# Altium PCB with dev module.PcbDoc
Units mil, origin at the board's own origin, x right, y up, seen from the top; angles counter-clockwise.
Board outline 4655 x 4270 mil, 2 copper layers (Top Layer, Bottom Layer); 87 components, 91 nets, 321 pads, 2 vias.
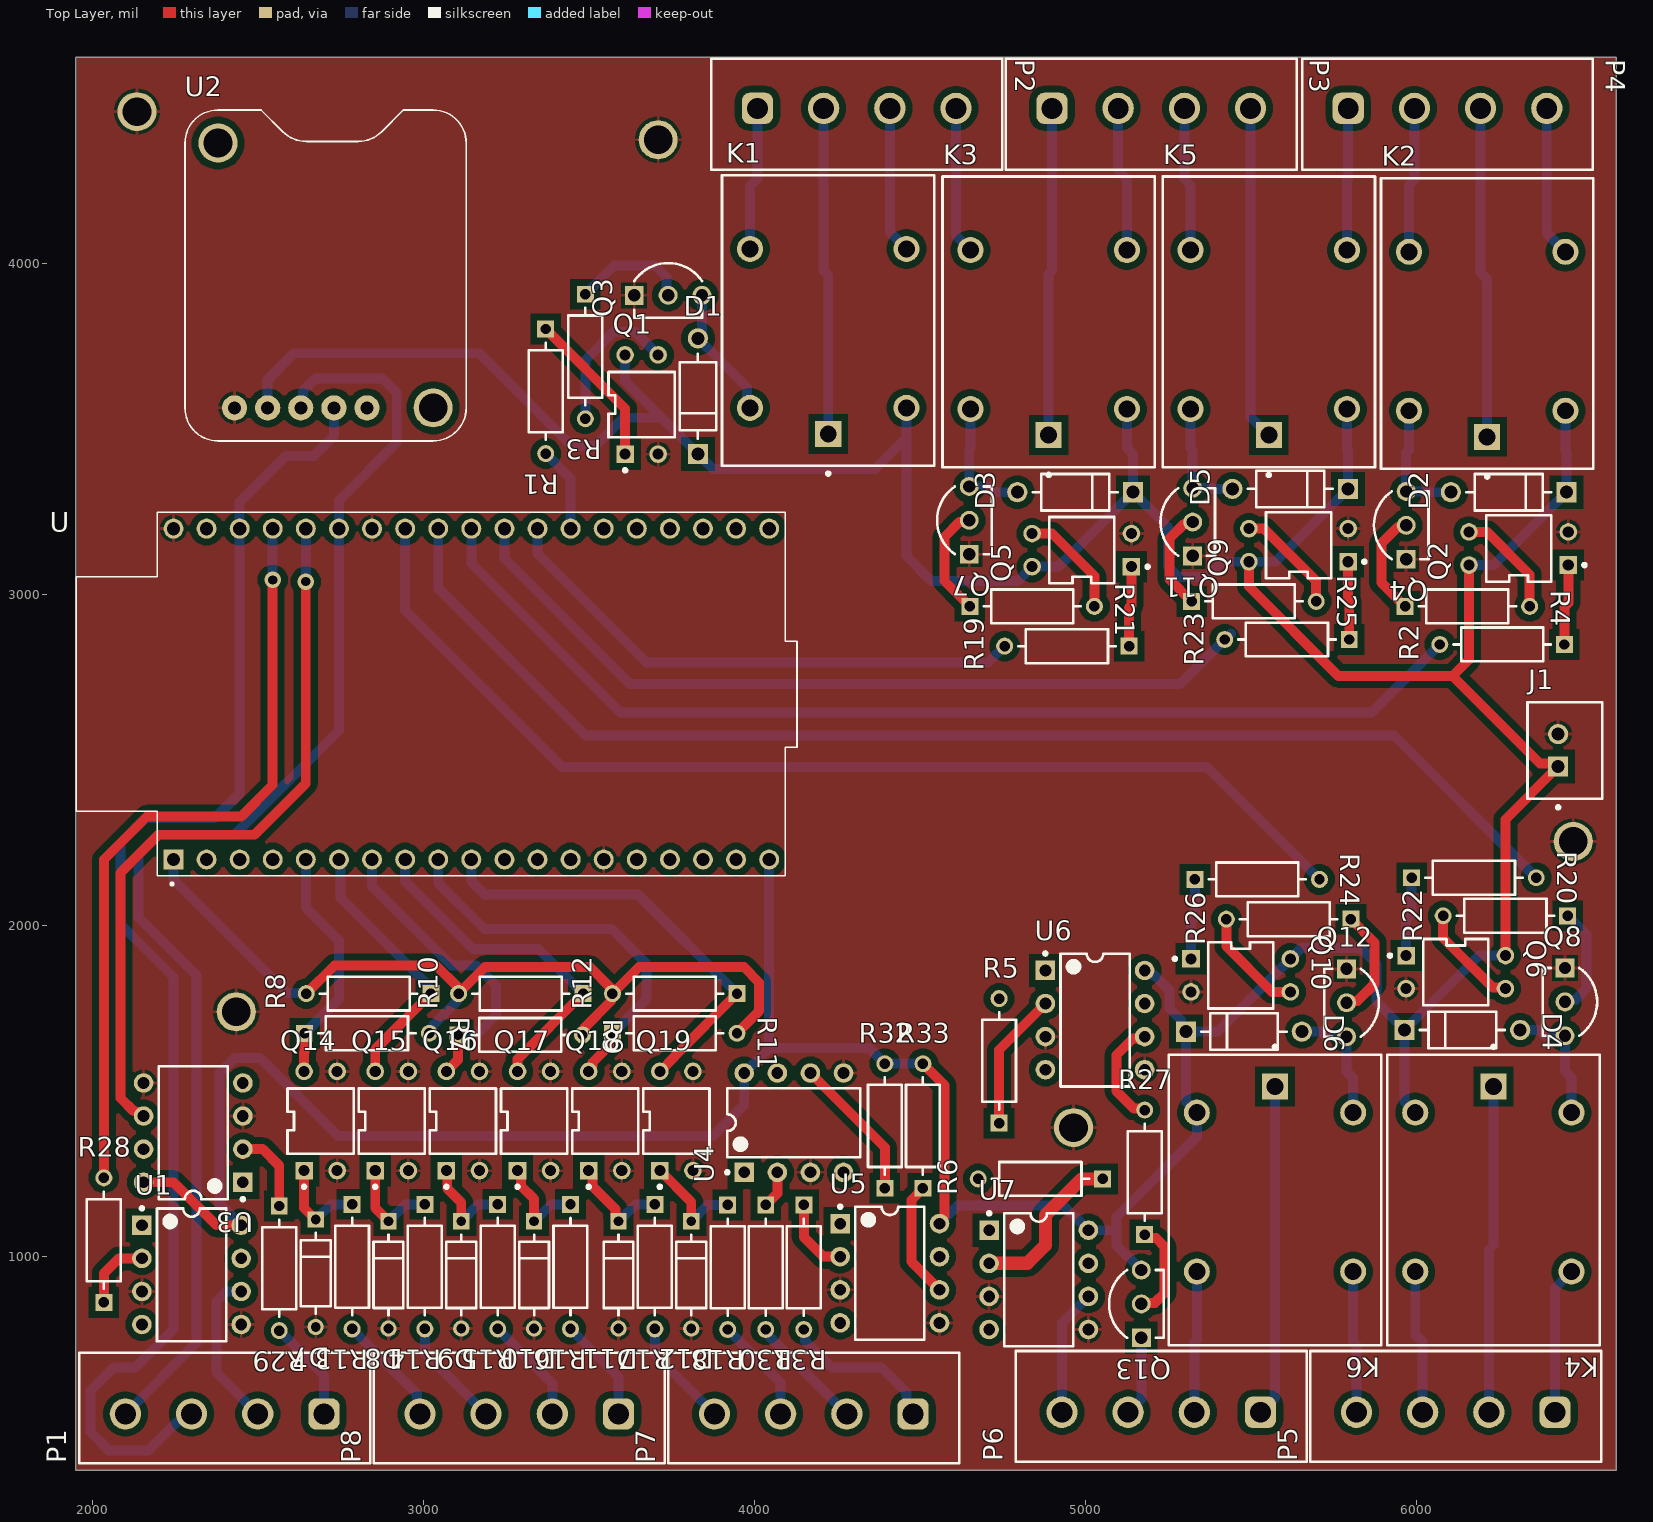
[diagram p0: Top Layer view]
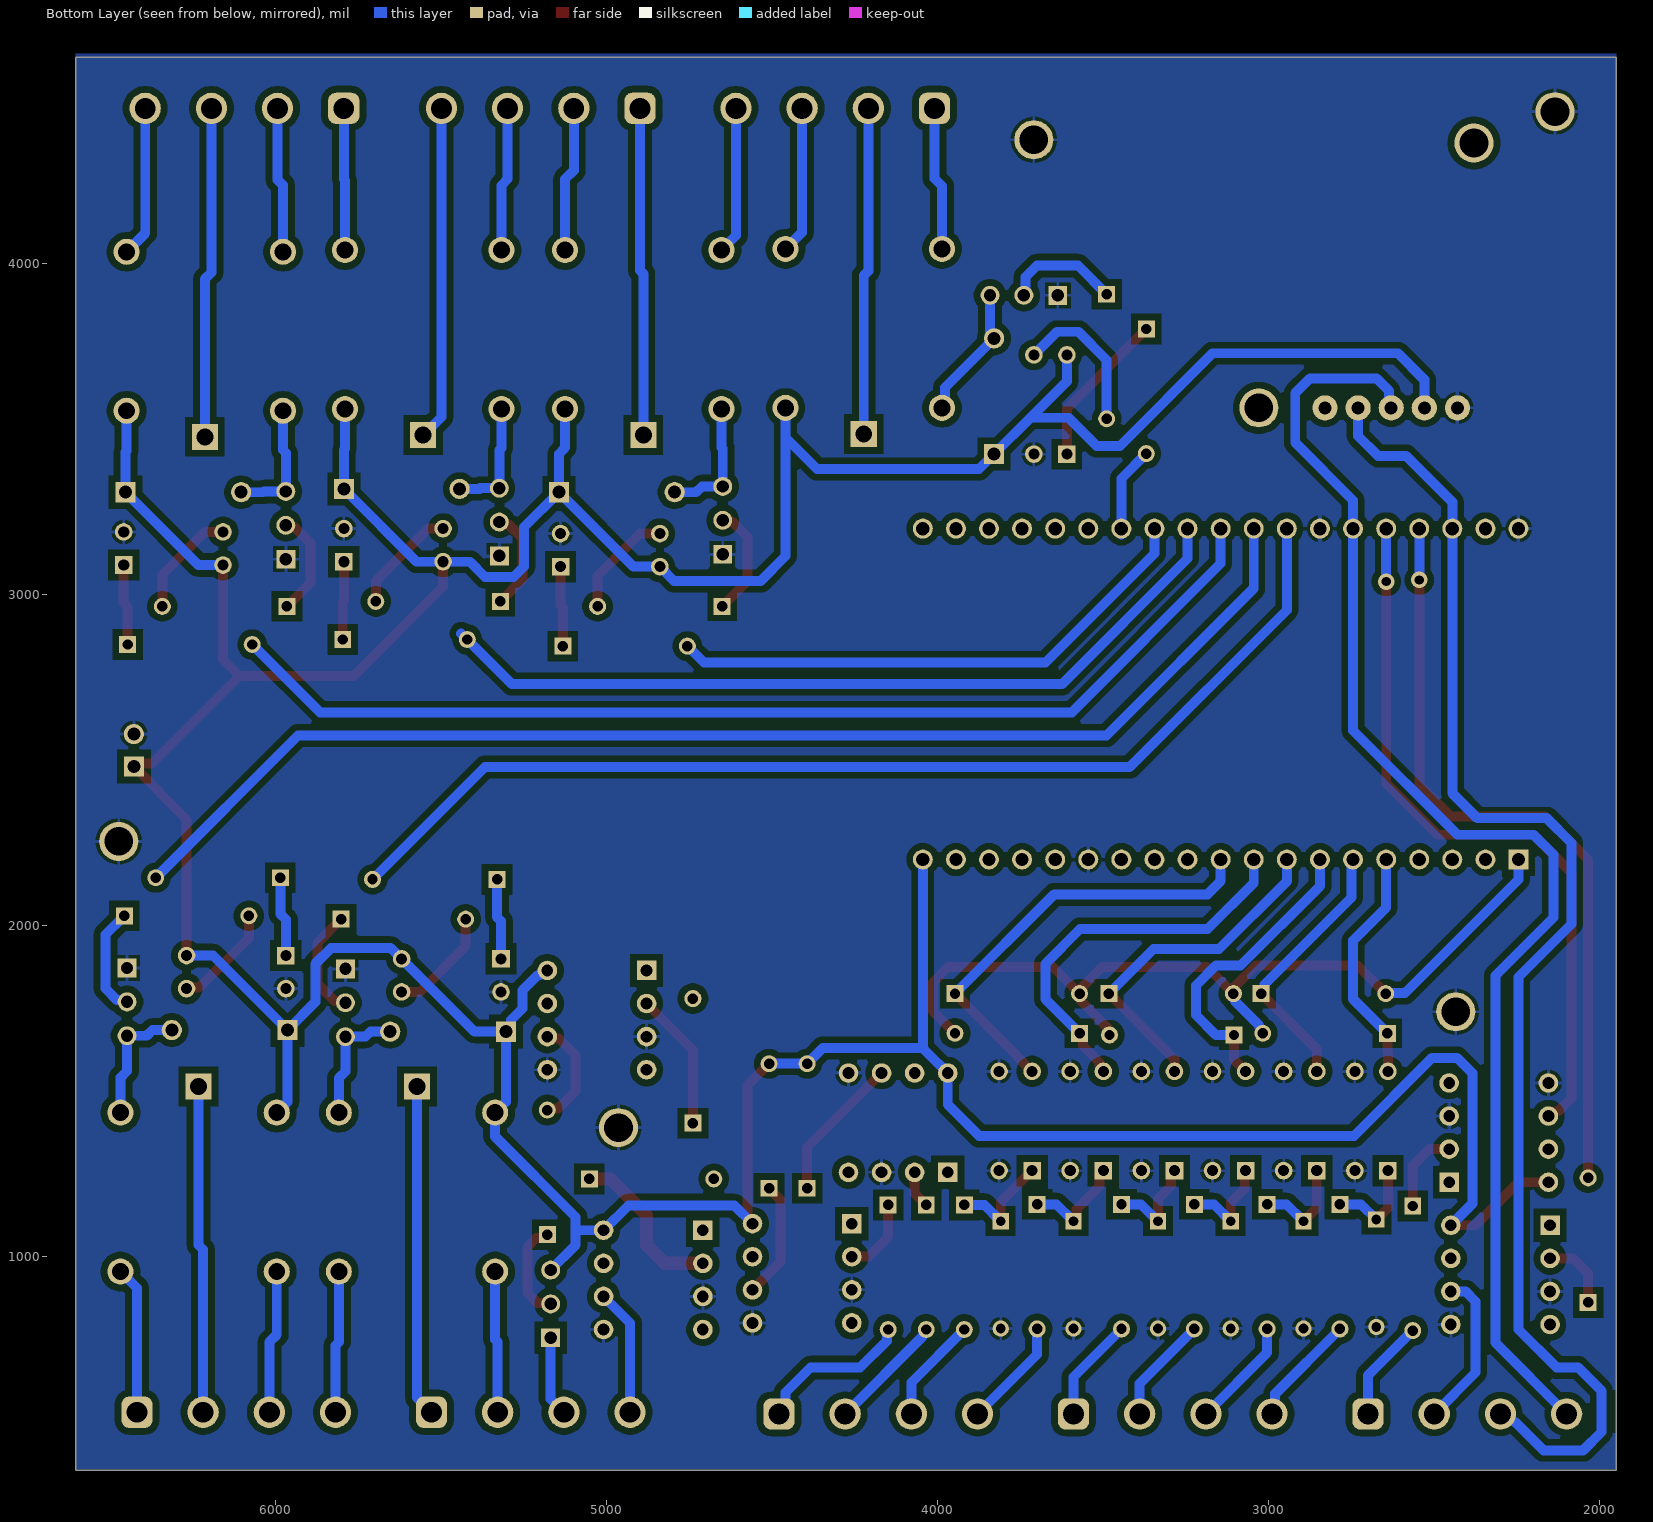
[diagram p1: Bottom Layer view, seen from below]
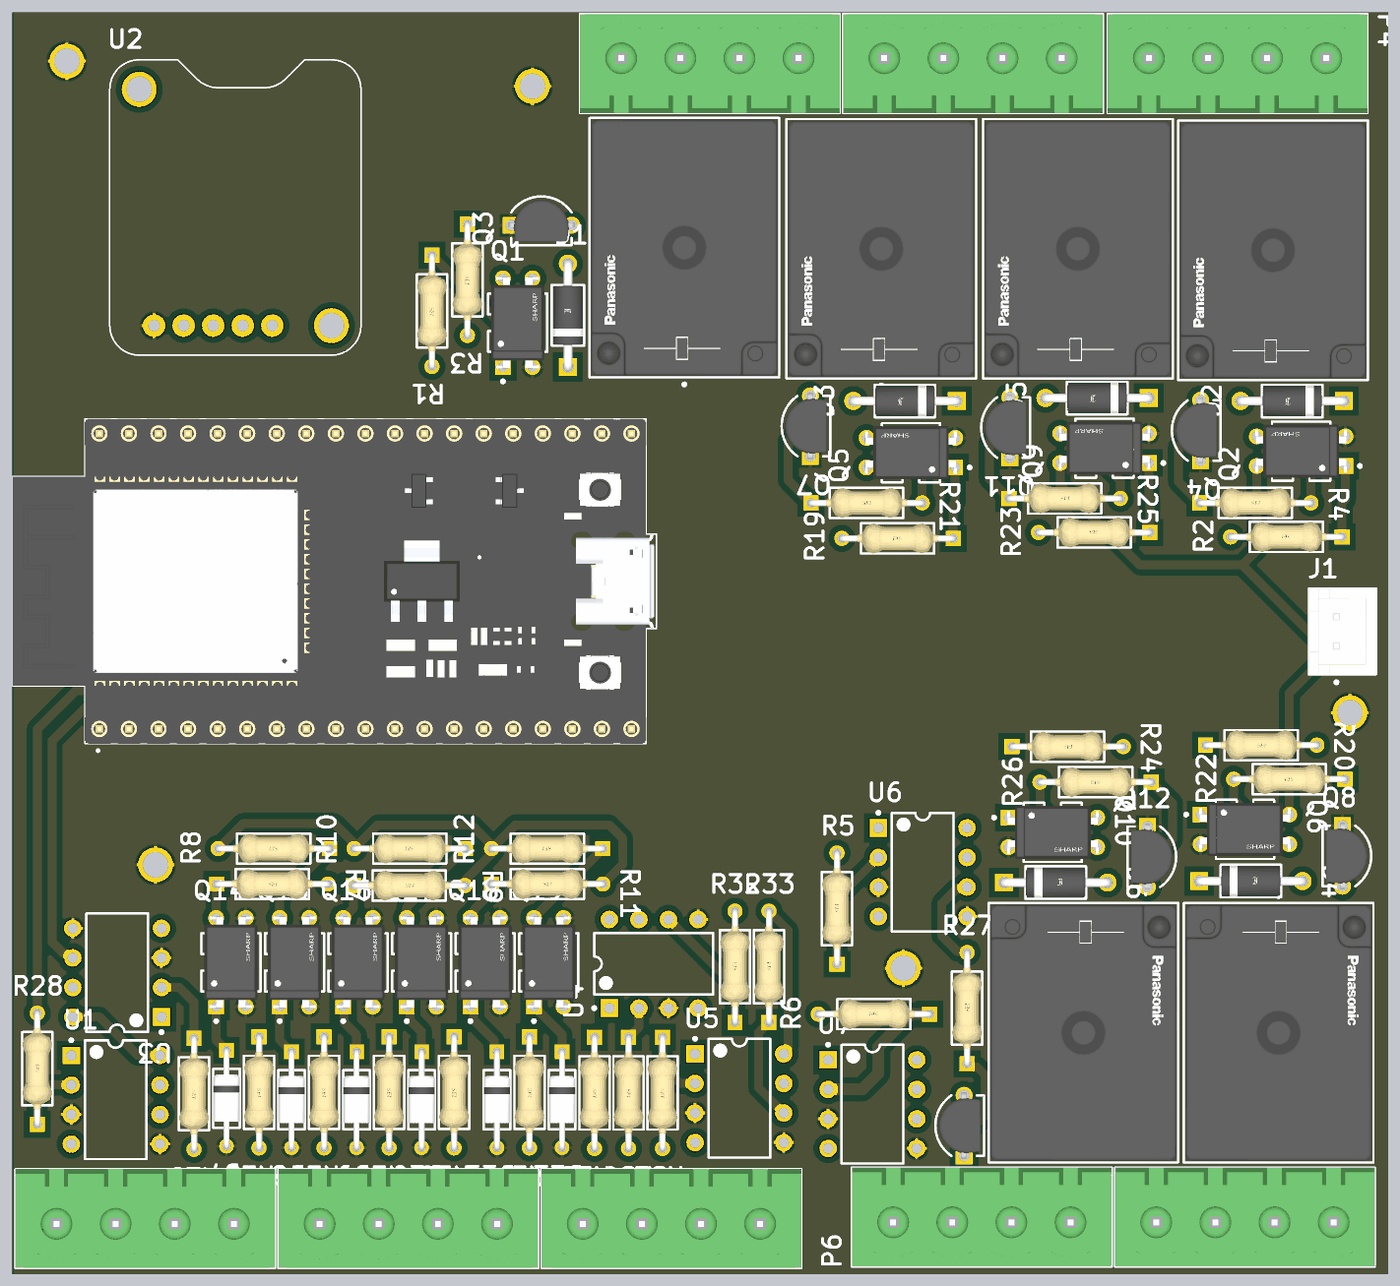
[diagram p2: 3D render of the assembled board from above, using the file's embedded part models]

## Layer stack, top to bottom
Top Solder: solder mask 0.4, Solder Resist, Dk 3.5
Top Layer: signal copper 1.4
Dielectric 1: dielectric 12.6, FR-4, Dk 4.8
Bottom Layer: signal copper 1.4
Bottom Solder: solder mask 0.4, Solder Resist, Dk 3.5

## Board outline
1950,355 1950,4625 6605,4625 6605,355

## Design rules (kind name [scope] priority, off if disabled: settings)
Clearance [All] p1: gap=20 ignorepadtopadclearanceinfootprint=FALSE
PolygonConnect [All] p1: connectstyle=Relief reliefconductorwidth=10 reliefentries=4 polygonreliefangle="90 Angle" airgapwidth=10
RoutingVias [All] p1: holewidth=28 width=50 viastyle="Through Hole" minholewidth=28 minwidth=50 maxholewidth=28 maxwidth=50
SolderMaskExpansion [All] p1: expansion=4 istentingtop=FALSE
SupplyNets "Schematic Supply Nets_3" [InNet('+3.3')] p1: voltage=0.000
SupplyNets "Schematic Supply Nets_1" [InNet('GND')] p2: voltage=0.000
SupplyNets "Schematic Supply Nets" [InNet('+5')] p3: voltage=0.000
Width [All] p1: maxlimit=40 minlimit=10 preferedwidth=30
30 further rules are at their usual default settings.

## Classes and differential pairs
component class outputs: D1 D2 D3 D4 D5 D6 K1 K2 K3 K4 K5 K6 P2 P3 P4 P5 P6 Q1 Q2 Q3 Q4 Q5 Q6 Q7 Q8 Q9 Q10 Q11 Q12 Q13 R1 R2 R3 R4 R5 R6 R19 R20 R21 R22 R23 R24 R25 R26 R27 R28 U1 U6 U7
component class inputs: D7 D8 D9 D10 D11 D12 P7 P8 Q14 Q15 Q16 Q17 Q18 Q19 R7 R8 R9 R10 R11 R12 R13 R14 R15 R16 R17 R18 R29 R30 R31 R32 R33 U3 U4 U5
component class "dev module": J1 P1 U U2

## Components (designator, comment, footprint, x,y, rotation, side; value= is the part's Value field where it differs from the comment)
D1 "1N4007" FP-1N4007-MFG 3830,3600 r90 top value=15pF
D2 "1N4007" FP-1N4007-MFG 6280,3310 r180 top value=15pF
D3 "1N4007" FP-1N4007-MFG 4970,3310 r180 top value=15pF
D4 "1N4007" FP-1N4007-MFG 6140,1685 r0 top value=15pF
D5 "1N4007" FP-1N4007-MFG 5620,3320 r180 top value=15pF
D6 "1N4007" FP-1N4007-MFG 5480,1680 r0 top value=15pF
D7 "JANTX1N4626-1" FP-DO-35-MFG 2675,950 r270 top
D8 "JANTX1N4626-1" FP-DO-35-MFG 2895,945 r270 top
D9 "JANTX1N4626-1" FP-DO-35-MFG 3115,945 r270 top
D10 "JANTX1N4626-1" FP-DO-35-MFG 3335,945 r270 top
D11 "JANTX1N4626-1" FP-DO-35-MFG 3590,945 r270 top
D12 "JANTX1N4626-1" FP-DO-35-MFG 3810,945 r270 top
J1 "B2B-XH-A(LF)(SN)" FP-B2B-XH-A_LF_SN-MFG 6450,2530 r90 top
K1 "JS1-B-5V-F" FP-JS1-B-5V-F-MFG 4223.78,3828.78 r90 top
K2 "JS1-B-5V-F" FP-JS1-B-5V-F-MFG 6215,3820 r90 top
K3 "JS1-B-5V-F" FP-JS1-B-5V-F-MFG 4890,3825 r90 top
K4 "JS1-B-5V-F" FP-JS1-B-5V-F-MFG 6233.78,1171.54 r270 top
K5 "JS1-B-5V-F" FP-JS1-B-5V-F-MFG 5555,3825 r90 top
K6 "JS1-B-5V-F" FP-JS1-B-5V-F-MFG 5573.78,1171.54 r270 top
P1 "691311500104" 691311500104 2400,542.72 r180 top
P2 "691311500104" 691311500104 4310,4452.28 r0 top
P3 "691311500104" 691311500104 5200,4452.28 r0 top
P4 "691311500104" 691311500104 6095,4452.28 r0 top
P5 "691311500104" 691311500104 6120,547.72 r180 top
P6 "691311500104" 691311500104 5230,547.72 r180 top
P7 "691311500104" 691311500104 4180,542.72 r180 top
P8 "691311500104" 691311500104 3290,542.72 r180 top
Q1 "PC817X1J000F" FP-PC817X1J000F-MFG 3660,3575 r90 top
Q2 "PC817X1J000F" FP-PC817X1J000F-MFG 6310,3140 r180 top
Q3 "KSC945YTA" FP-135AR-MFG 3740,3919.96 r90 top
Q4 "KSC945YTA" FP-135AR-MFG 5955.04,3210 r180 top
Q5 "PC817X1J000F" FP-PC817X1J000F-MFG 4990,3135 r180 top
Q6 "PC817X1J000F" FP-PC817X1J000F-MFG 6120,1860 r0 top
Q7 "KSC945YTA" FP-135AR-MFG 4635.04,3225 r180 top
Q8 "KSC945YTA" FP-135AR-MFG 6465,1770 r0 top
Q9 "PC817X1J000F" FP-PC817X1J000F-MFG 5645,3150 r180 top
Q10 "PC817X1J000F" FP-PC817X1J000F-MFG 5470,1850 r0 top
Q11 "KSC945YTA" FP-135AR-MFG 5310.04,3220 r180 top
Q12 "KSC945YTA" FP-135AR-MFG 5804.96,1767.36 r0 top
Q13 "KSC945YTA" FP-135AR-MFG 5155.04,857.36 r180 top
Q14 "PC817X1J000F" FP-PC817X1J000F-MFG 2690,1410 r90 top
Q15 "PC817X1J000F" FP-PC817X1J000F-MFG 2905,1410 r90 top
Q16 "PC817X1J000F" FP-PC817X1J000F-MFG 3120,1410 r90 top
Q17 "PC817X1J000F" FP-PC817X1J000F-MFG 3335,1410 r90 top
Q18 "PC817X1J000F" FP-PC817X1J000F-MFG 3550,1410 r90 top
Q19 "PC817X1J000F" FP-PC817X1J000F-MFG 3765,1410 r90 top
R1 "PCF14JT7K50" FP-CF14-MFG 3370,3615 r270 top
R2 "PCF14JT7K50" FP-CF14-MFG 6260,2850 r180 top
R3 "PCF14JT7K50" FP-CF14-MFG 3490,3720 r270 top
R4 "PCF14JT7K50" FP-CF14-MFG 6155,2965 r0 top
R5 "PCF14JT7K50" FP-CF14-MFG 4740,1591.81 r90 top
R6 "PCF14JT7K50" FP-CF14-MFG 4865,1235 r180 top
R7 "PCF14JT7K50" FP-CF14-MFG 2830,1675 r0 top
R8 "PCF14JT7K50" FP-CF14-MFG 2835,1795 r180 top
R9 "PCF14JT7K50" FP-CF14-MFG 3293.19,1670 r0 top
R10 "PCF14JT7K50" FP-CF14-MFG 3295,1795 r180 top
R11 "PCF14JT7K50" FP-CF14-MFG 3760,1675 r0 top
R12 "PCF14JT7K50" FP-CF14-MFG 3760,1795 r180 top
R13 "PCF14JT7K50" FP-CF14-MFG 2785,970 r270 top
R14 "PCF14JT7K50" FP-CF14-MFG 3005,970 r270 top
R15 "PCF14JT7K50" FP-CF14-MFG 3225,970 r270 top
R16 "PCF14JT7K50" FP-CF14-MFG 3445,970 r270 top
R17 "PCF14JT7K50" FP-CF14-MFG 3700,970 r270 top
R18 "PCF14JT7K50" FP-CF14-MFG 3920,968.19 r270 top
R19 "PCF14JT7K50" FP-CF14-MFG 4945,2845 r180 top
R20 "PCF14JT7K50" FP-CF14-MFG 6175,2145 r0 top
R21 "PCF14JT7K50" FP-CF14-MFG 4840,2965 r0 top
R22 "PCF14JT7K50" FP-CF14-MFG 6270,2030 r180 top
R23 "PCF14JT7K50" FP-CF14-MFG 5610,2865 r180 top
R24 "PCF14JT7K50" FP-CF14-MFG 5520,2140 r0 top
R25 "PCF14JT7K50" FP-CF14-MFG 5510,2980 r0 top
R26 "PCF14JT7K50" FP-CF14-MFG 5615,2020 r180 top
R27 "PCF14JT7K50" FP-CF14-MFG 5180,1255 r90 top
R28 "PCF14JT7K50" FP-CF14-MFG 2035,1050 r90 top
R29 "PCF14JT7K50" FP-CF14-MFG 2565,965 r270 top
R30 "PCF14JT7K50" FP-CF14-MFG 4035,968.19 r270 top
R31 "PCF14JT7K50" FP-CF14-MFG 4150,968.19 r270 top
R32 "PCF14JT7K50" FP-CF14-MFG 4395,1395 r90 top
R33 "PCF14JT7K50" FP-CF14-MFG 4510,1395 r90 top
U "ESP32-DEVKITC" MODULE_ESP32-DEVKITC 3145,2700 r90 top
U1 "6N137" VISH-DIP-8_A 2300,945 r0 top
U2 "3296" MODULE_3296 2705,3965 r0 top
U3 "6N137" VISH-DIP-8_A 2305,1375 r180 top
U4 "6N137" VISH-DIP-8_A 4120,1405 r90 top
U5 "6N137" VISH-DIP-8_A 4410,950 r0 top
U6 "6N137" VISH-DIP-8_A 5030,1715 r0 top
U7 "6N137" VISH-DIP-8_A 4860,930 r0 top

## Footprints (in the part's own frame and the unit in brackets; to place one, negate y for a bottom-side part, rotate by r counter-clockwise, add the part's x,y. Pads: shape width x height; smd on the part's side, far side on the other; paste and mask are expansions set on the pad)
691311500104 [mm] "5,08mm - PCB Headers - Vertical - Closed ends -04p"
  rrect50% 2.4x2.4 hole 1.6: 1(-7.62,0.45)
  round 2.4 hole 1.6: 2(-2.54,0.45) 3(2.54,0.45) 4(7.62,0.45)
  silkscreen extent -11.16,-4.25 11.16,4.25, body extent -11.16,-4.25 11.16,4.25, height 12.05
FP-1N4007-MFG [mm]
  rect 1.55x1.55 hole 1 paste-2539.97 mask+0: 1(-4.44,0)
  round 1.55 hole 1 paste-2539.97 mask+0: 2(4.44,0)
  silkscreen extent -3.27,-1.4 3.27,1.4, body extent -5.32,-1.5 5.32,1.5, height 0.25
FP-135AR-MFG [mm]
  rect 1.45x1.45 hole 0.95 paste-2539.97 mask+0: 1(-0.38,2.6)
  round 1.45 hole 0.95 paste-2539.97 mask+0: 2(-0.38,0) 3(-0.38,-2.6)
  silkscreen extent -2.1,-2.6 2.09,2.6, body extent -2.19,-3.42 2.19,3.42, height 0.25
FP-B2B-XH-A_LF_SN-MFG [mm]
  rect 1.55x1.55 hole 1 paste-2539.97 mask+0: 1(-1.25,0.525)
  round 1.55 hole 1 paste-2539.97 mask+0: 2(1.25,0.525)
  silkscreen extent -4.5,-2.88 3.7,2.87, body extent -3.8,-2.98 3.8,2.98, height 0.25
FP-CF14-MFG [mm]
  rect 1.3x1.3 hole 0.8 paste-2539.97 mask+0: 1(-4.78,0)
  round 1.3 hole 0.8 paste-2539.97 mask+0: 2(4.78,0)
  silkscreen extent -3.73,-1.3 3.73,1.3, body extent -5.53,-1.4 5.53,1.4, height 0.25
FP-DO-35-MFG [mm]
  rect 1.25x1.25 hole 0.75 paste-2539.97 mask+0: 1(-4.12,0)
  round 1.25 hole 0.75 paste-2539.97 mask+0: 2(4.12,0)
  silkscreen extent -3.09,-1.14 3.09,1.14, body extent -4.84,-1.24 4.84,1.24, height 0.25
FP-JS1-B-5V-F-MFG [mm]
  rect 2x2 hole 1.3 paste-2539.97 mask+0: 1(-8.7,0)
  round 2 hole 1.3 paste-2539.97 mask+0: 2(-6.7,-6) 3(5.5,-6) 4(5.5,6) 5(-6.7,6)
  silkscreen extent -11.87,-8.15 11.15,8.15, body extent -11.25,-8.25 11.25,8.25, height 0.25
FP-PC817X1J000F-MFG [mm]
  rect 1.35x1.35 hole 0.85 paste-2539.97 mask+0: 1(-3.81,1.27)
  round 1.35 hole 0.85 paste-2539.97 mask+0: 2(-3.81,-1.27) 3(3.81,-1.27) 4(3.81,1.27)
  silkscreen extent -5.17,-2.54 2.5,2.54, body extent -4.58,-2.64 4.58,2.64, height 0.25
MODULE_3296 [mm]
  round 1.93 hole 1: 1(3.175,-10.16) 2(0.635,-10.16) 3(-1.905,-10.16) 4(-4.445,-10.16) 5(-6.985,-10.16)
  round 3 hole 2.2: SH1(8.255,-10.16) SH2(-8.255,10.16)
  silkscreen extent -10.79,-12.7 10.79,12.7
MODULE_ESP32-DEVKITC [mm]
  rect 1.53x1.53 hole 1.02: 1(-12.7,22.85)
  round 1.53 hole 1.02: 2(-12.7,20.31) 3(-12.7,17.77) 4(-12.7,15.23) 5(-12.7,12.69) 6(-12.7,10.15) 7(-12.7,7.61) 8(-12.7,5.07) 9(-12.7,2.53) 10(-12.7,-0.01) 11(-12.7,-2.55) 12(-12.7,-5.09) 13(-12.7,-7.63) 14(-12.7,-10.17) 15(-12.7,-12.71) 16(-12.7,-15.25) 17(-12.7,-17.79) 18(-12.7,-20.33) 19(-12.7,-22.87) 20(12.7,-22.87) 21(12.7,-20.33) 22(12.7,-17.79) 23(12.7,-15.25) 24(12.7,-12.71) 25(12.7,-10.17) 26(12.7,-7.63) 27(12.7,-5.09) 28(12.7,-2.55) 29(12.7,-0.01) 30(12.7,2.53) 31(12.7,5.07) 32(12.7,7.61) 33(12.7,10.15) 34(12.7,12.69) 35(12.7,15.23) 36(12.7,17.77) 37(12.7,20.31) 38(12.7,22.85)
  silkscreen extent -14.67,-25 13.95,30.3, body extent -13.97,-24.8 13.97,30.3, height 6.69
VISH-DIP-8_A [mm] "DIP, 8-Leads, Body 10.16x6.85mm, Pitch 2.54mm"
  rect 1.5x1.5 hole 0.9: 1(-3.81,3.81)
  round 1.5 hole 0.9: 2(-3.81,1.27) 3(-3.81,-1.27) 4(-3.81,-3.81) 5(3.81,-3.81) 6(3.81,-1.27) 7(3.81,1.27) 8(3.81,3.81)
  silkscreen extent -3.93,-5.1 2.65,5.23, body extent -3.95,-5.07 3.95,5.07, height 4.54

## Part data
D1 D2 D3 D4 D5 D6: library part CMP-123542-000001-1, "Rectifier diode 1000 V 1 A DO-41, ,", Capacitance=15pF, Forward Current=1A, Manufacturer=Diotec, Max Junction Temp=+175°C, Max Repetitive Reverse Voltage=1000V, Max Surge Forward Current=27A, Peak Reverse Current=5uA, Temperature="-50°C to +175°C", Temperature Range Low=-50°C, Automotive=No, Category=Diode, ComponentLink2Description=Datasheet, ComponentLink2URL=https://datasheet.octopart.com/1N4007-Diotec-datasheet-62346875.pdf, Device Class L1="Discrete Semiconductors", Device Class L2=Diodes, Device Class L3="Rectifier Diodes", Height=2.8mm, Ipc Land Pattern Name=DIOAD888W100L520D280, Lead Free=Yes, Manufacturer Part Number=1N4007, Octopart=https://octopart.com/1n4007-diotec-4040411, Package=1N4007, Reverse Voltage=1000V, RoHS=TRUE, Temperature Range High=+175°C
D7 D8 D9 D10 D11 D12: library part CMP-00252-10349970-1, "JANTX1N4626-1 Metallurgically Bonded Glass Zener Diode 5.6V 500mW 5% 2-Pin DO-204AH", Max Operating Temperature=175°C, Max Power Dissipation=500mW, Max Reverse Leakage Current=10µA, Min Operating Temperature=-65°C, Power Dissipation=480mW, Test Current=250µA, Tolerance=5%, Zener Voltage=5.6V, Element Configuration=Single, Impedance=1.4kΩ, Lead Free="Contains Lead", Lifecycle Status=Production, Mount="Through Hole", NexarPartId=10349970, Number of Pins=2, Radiation Hardening=No, RoHS=Compliant, Schedule B="8541100050, 8541100050", Voltage Tolerance=5%
J1: library part CMP-2000-05888-3, "CONN HEADER VERT 2POS 2.5MM", Color=Natural, Contact Resistance=20mR, Current Rating=3A, Housing Color=White, Insulation Resistance=1GR, Max Operating Temperature=85°C, Max Voltage Rating (AC)=250V, Min Operating Temperature=-25°C, Connector Type="Male Pin", Contact Material=Brass, Contact Plating=Tin, Contact Type="Male Pin", Depth=5.75mm, Fastening Type=Detent, Housing Material=Polyamide, Lead Free="Lead Free", Lead Pitch=2.5mm, Length=7.4mm, Max Current Rating=3A, Max Voltage Rating (DC)=250V, Mount="Through Hole", Number of Contacts=2, Number of Positions=2, Number of Rows=1, Orientation=Straight, Packaging=Bulk, Pitch=2.5mm, REACH SVHC="No SVHC", Series=XH, Termination=Solder, Voltage Rating=250V, Voltage Rating (AC)=250V, Wire/Cable Gauge=22AWG
K1 K2 K3 K4 K5 K6: library part CMP-00287-00689748-1, "JS1-B-5V-F Electromechanical Relay 5VDC 69.4Ohm 5ADC/10AAC SPDT (22x16x16.4)mm THT Power Relay", Ambient Temperature Range High=85°C, Coil Current=72mA, Coil Power=360mW, Coil Resistance=69.4Ω, Coil Voltage (DC)=5V, Contact Current Rating=10A, Max Voltage Rating (AC)=250V, Max Voltage Rating (DC)=100V, Min Operating Temperature=-40°C, Coil Type=Non-Latching, Contact Material="Silver, Tin", Current Rating=10A, Depth=16mm, Height=16mm, Lead Free="Lead Free", Length=22mm, Max Current Rating=10A, Max Operating Temperature=85°C, Mount="Through Hole", NexarPartId=689748, Number of Contacts=1, Number of Pins=5, Operate Time=10ms, Packaging=Bulk, Power Consumption=360mW, Power Rating=360mW, REACH SVHC="No SVHC", Relay Type="General Purpose", Release Time=10ms, RoHS=Compliant, Switching Current=10A, Termination="PC Pin", Throw Configuration=SPDT, Voltage Rating (AC)=250V, Weight=12g, Width=22mm
P1 P2 P3 P4 P5 P6 P7 P8: library part CMP-1502-02148-2, Color=Green, Current=20A, Voltage=300V, Contact Material=Brass, Contact Plating=Tin, Gender=Male, Height=12mm, Lead Pitch=5.08mm, Length=8.5mm, Mount="Through Hole", NexarPartId=8917749, Number of Contacts=4, Number of Levels=1, Number of Pins=4, Number of Positions Per Level=4, Number of Rows=1, Orientation=Vertical, Packaging=Box, Pitch=5.08mm, REACH SVHC=Unknown, RoHS=Compliant, Termination=Solder, Width=22.32mm
Q1 Q2 Q5 Q6 Q9 Q10 Q14 Q15 Q16 Q17 Q18 Q19: library part CMP-65434-000003-1, "OPTOISOLATOR 5KV TRANS 4DIP", Case/Package=DIP, Collector Emitter Breakdown Voltage=80V, Collector Emitter Saturation Voltage=200mV, Current Transfer Ratio=600%, Forward Current=50mA, Forward Voltage=1.4V, Input Current=20mA, Isolation Voltage=5kV, Max Operating Temperature=100°C, Max Power Dissipation=200mW, Min Operating Temperature=-30°C, Package Quantity=2000, Reverse Breakdown Voltage=6V, Collector Emitter Voltage (VCEO)=80V, Fall Time=18000ns, Max Collector Current=50mA, Max Input Current=50mA, Mount="Through Hole", Number of Channels=1, Number of Elements=1, Number of Pins=4, Output Current per Channel=50mA, Output Voltage=80V, Packaging=Sleeve, Power Dissipation=200mW, Radiation Hardening=No, Rise Time=18000ns
Q3 Q4 Q7 Q8 Q11 Q12 Q13: library part CMP-00278-84329536-1, "KSC945YTA Bipolar (BJT) Single Transistor, NPN, 50 V, 300 MHz, 250 mW, 150 mA, 120", Case/Package=TO-92-3, Collector Base Voltage (VCBO)=60V, Collector Emitter Breakdown Voltage=50V, Collector Emitter Saturation Voltage=150mV, Current Rating=150mA, Emitter Base Voltage (VEBO)=5V, Frequency=300MHz, Manufacturer Lifecycle Status=ACTIVE, Max Frequency=1MHz, Max Junction Temperature (Tj)=150°C, Max Power Dissipation=250mW, Min Operating Temperature=-55°C, Collector Emitter Voltage (VCEO)=50V, Element Configuration=Single, Gain Bandwidth Product=300MHz, Height=4.58mm, hFE Min=40, Lead Free="Lead Free", Length=4.58mm, Lifecycle Status=Production, Max Breakdown Voltage=50V, Max Collector Current=150mA, Max Operating Temperature=150°C, Mount="Through Hole", NexarPartId=84329536, Number of Elements=1, Number of Pins=3, Polarity=NPN, Power Dissipation=250mW, Radiation Hardening=No, REACH SVHC="No SVHC", RoHS=Compliant, Schedule B="8541210080, 8541210080", Transition Frequency=300MHz, Voltage Rating (DC)=50V, Weight=240mg, Width=3.86mm
R1 R2 R3 R4 R5 R6 R7 R8 R9 R10 R11 R12 R13 R14 R15 R16 R17 R18 R19 R20 R21 R22 R23 R24 R25 R26 R27 R28 R29 R30 R31 R32 R33: library part CMP-26528-000003-1, "RES 7.5K OHM 1/4W 5% AXIAL", Case/Package=Axial, Max Operating Temperature=155°C, Max Power Dissipation=250mW, Min Operating Temperature=-55°C, Resistance=7.5kR, Resistor Type="Carbon Film", Temperature Coefficient=-400ppm/°C, Tolerance=5%, Contact Plating=Tin, Diameter=2.3mm, Features="Flame Retardant Coating", Lead Free="Lead Free", Length=0.256inch, Mount="Through Hole", Number of Terminations=2, Packaging="Tape and Reel", Power Rating=250mW, Radiation Hardening=No, RoHS Compliant=Yes, Series=CF
U: "- Transceiver; 802.11 b/g/n _Wi-Fi, WiFi, WLAN_, BluetoothÂ® Smart Ready 4.x Dual Mode For Use With ESP-WROOM-32", Package=None, Availability=Unavailable, MF="Espressif Systems", MP=ESP32-DEVKITC-32D-F, Price=None, SnapEDA_Link=https://www.snapeda.com/parts/ESP32-DEVKITC-32D-F/Espressif%20Systems/view-part/4220172/?ref=snap
U1 U3 U4 U5 U6 U7: library part CMP-2000-05669-1, "High Speed Optocoupler, Single and Dual, 10 MBd, 5 V, -40 to 100 degC, 8-Pin DIP, RoHS, Tube", Isolation Voltage=5.3kV, Manufacturer=Vishay, Optocoupler Case Style=DIP, Package Description="8-Pin Double In-line Package, Body 10.16 x 6.7 mm, Pitch 2.54 mm", Package Reference=DIP-8, Data Rate=10Mbaud, Datasheet URL=http://www.vishay.com/docs/84732/6n137.pdf, Datasheet Version="Rev. 1.9, 03/2015", Manufacturer URL=http://www.vishay.com/, Mounting Technology=ThroughHole, No. of Channels=1Channel, No. of Pins=8Pins, Packaging=Each, Product Range=-, SVHC=ToBeAdvised
U2: "DS1307 Real Time Clock (RTC) Timing Evaluation Board", Package=None, Availability="In Stock", Check_prices=https://www.snapeda.com/parts/3296/Adafruit+Industries/view-part/?ref=eda, MF=Adafruit, MP=3296, Price=None, Purchase-URL=https://pricing.snapeda.com/search/part/3296/?ref=eda, SnapEDA_Link=https://www.snapeda.com/parts/3296/Adafruit+Industries/view-part/?ref=snap

## Free pads (board coordinates)
  round 118.11 hole 86.61: 25(2135,4460) 25(2435,1740) 25(3710,4375) 25(4965,1390) 25(6475,2255)

## Via types
v1: diameter 50, hole 28, Top Layer to Bottom Layer, 2 vias

## Nets (pads, with @x,y where several pads share a name; then routed paths per layer and width w, separated by ;. In a path a pad name is that pad's centre, name@x,y a point inside that pad or via, vN(x,y) a via of type N, cw(c..) or ccw(c..) an arc to the next point about the centre after c; other vN are vias at no path point)
+3.3: R7.2 R8.2 R9.2 R10.2 R11.2 R12.2 U.1 | length 2662.4
  Top Layer w30: R8.2 2731.81,1880 3038.87,1880 R10.2@3102.76,1816.11 ; R10.2 3186.81,1875 3503.87,1875 3567.76,1811.11 3567.76,1799.05 R12.2 ; R9.2 3485.43,1674.05 3485.43,1690.43 3567.76,1772.76 3567.76,1790.95 R12.2 ; R11.2 4015,1741.81 4015,1828.87 3968.87,1875 3651.81,1875 3577.84,1801.03 R12.2
  Bottom Layer w30: U.1 2245.39,2139.61 2588.29,1796.71 2645.1,1796.71 R8.2 ; R7.2@3022.24,1670.95 R7.2 3018.19,1680.73 3028.78,1691.32 3028.78,1698.78 3102.76,1772.76 3102.76,1790.95 R10.2
+5: D1.1 D2.1 D3.1 D4.1 D5.1 D6.1 J1.1 K1.2 K2.2 K3.2 K4.2 K5.2 K6.2 Q1.4 Q2.4 Q5.4 Q6.4 Q9.4 Q10.4 Q13.3 R32.2 R33.2 U1.8 U2.4 U3.8 U4.8 U5.8 U6.8 U7.8 U.19 | length 15756.8
  Top Layer w30: U3.8 2245,1225 2375,1095 U1.8 ; R33.2 4575,1518.19 4575,1122.86 4560,1107.86 U5.8 ; Q9.4 5495,3025 5765,2755 6110,2755 ; Q2.4 6160,2805 6110,2755 ; Q6.4 6270,2321.46 J1.1 6419.56,2490.56 6374.44,2490.56 6110,2755
  Bottom Layer w30: U1.8 2385,1160 2385,1555 2431,1601 2507,1601 2743,1365 3875,1365 3970,1460 U4.8 4031,1616 4045.39,1630.39 ; U2.4 2530,3650 2610,3730 3170,3730 3450,3450 3520,3450 3605,3535 3720.2,3535 ; Q1.4 3610,3645.2 3720.2,3535 ; U.19 4045.39,1630.39 ; K1.2 4460,3475 ; R33.2 R32.2 4347.8,1630.39 4045.39,1630.39 ; U5.8 4615,1155 4935,1155 U7.8 5095,1080 ; K3.2 5126.22,3444.58 5144.8,3426 D3.1 ; Q13.3 5095,1034.72 5095,1080 ; U6.8 5187.86,1865 5202.39,1850.47 5209.53,1850.47 5255,1805 5255,1750 5289.68,1715.32 5289.68,1695.51 D6.1 ; K5.2 5791.22,3441.58 5794.8,3438 D5.1 5574.8,3100 5413.95,3100 5368.04,3054.09 5281.96,3054.09 5250,3086.05 5250,3204.8 D3.1 ; K4.2 5965.2,1467.68 D4.1 ; Q2.4 6234.8,3090 D2.1 6454.8,3431 6451.22,3434.58 K2.2 ; Q6.4 6190.2,1910 D4.1 ; 3720.2,3535 D1.1 3875.2,3380 4365,3380 4460,3475 ; 4460,3475 4460,3117 4535,3042 4797,3042 Q5.4 4919.8,3085 D3.1 ; 5095,1080 5095,1120.1 5337.56,1362.66 K6.2 5305.2,1467.68 D6.1 ; D6.1 5400,1680 5653.27,1933.27 5833.04,1933.27 5881,1885.31 5881,1769.2 D4.1
GND: D7.2 D8.2 D9.2 D10.2 D11.2 D12.2 J1.2 pad.25 Q1.2 Q2.2 Q3.1 Q4.1 Q5.2 Q6.2 Q7.1 Q8.1 Q9.2 Q10.2 Q11.1 Q12.1 Q14.2 Q14.3 Q15.2 Q15.3 Q16.2 Q16.3 Q17.2 Q17.3 Q18.2 Q18.3 Q19.2 Q19.3 U1.3 U1.5 U2.5 U3.3 U3.5 U4.3 U4.5 U5.3 U5.5 U6.3 U6.5 U7.3 U7.5 U.14 U.32 U.38
NetD1_2: D1.2 K1.5 Q3.3 | length 410.4
  Bottom Layer w30: Q3.3 3842.36,3795.56 3830,3783.2 D1.2 3978.23,3626.57 3978.23,3574.33 K1.5
NetD2_2: D2.2 K2.5 Q4.3 | length 383.7
  Bottom Layer w30: K2.5 5978.78,3437.78 5970,3429 Q4.3 6036,3312.36 6038.36,3310 D2.2
NetD3_2: D3.2 K3.5 Q7.3 | length 387.8
  Bottom Layer w30: K3.5 4653.78,3445.78 4650,3442 Q7.3 4713,3327.36 4730.36,3310 D3.2
NetD4_2: D4.2 K4.5 Q8.3 | length 383
  Bottom Layer w30: D4.2 6373,1685 6390.36,1667.64 Q8.3 6450.04,1560.96 6470,1541 K4.5
NetD5_2: D5.2 K5.5 Q11.3 | length 362.6
  Bottom Layer w30: K5.5 5318.78,3444.22 5325,3438 Q11.3 5383,3322.36 5385.36,3320 D5.2
NetD6_2: D6.2 K6.5 Q12.3 | length 379.4
  Bottom Layer w30: D6.2 5714,1680 5729,1665 Q12.3 5790,1560 5810,1540 K6.5
NetD7_1: D7.1 Q14.1 R13.1 | length 291.3
  Top Layer w30: Q14.1 2640,1147.2 D7.1
  Bottom Layer w30: D7.1 2720.99,1158.19 R13.1
NetD8_1: D8.1 Q15.1 R14.1 | length 300.5
  Top Layer w30: Q15.1 2855,1147.2 D8.1
  Bottom Layer w30: D8.1 2945.99,1158.19 R14.1
NetD9_1: D9.1 Q16.1 R15.1 | length 302.6
  Top Layer w30: Q16.1 3072.72,1257.28 3072.72,1206 3115,1163.72 D9.1
  Bottom Layer w30: D9.1 3165.99,1158.19 R15.1
NetD10_1: D10.1 Q17.1 R16.1 | length 304.6
  Top Layer w30: Q17.1 3295.89,1249.11 3295.89,1214.11 3335,1175 D10.1
  Bottom Layer w30: D10.1 3385.99,1158.19 R16.1
NetD11_1: D11.1 Q18.1 R17.1 | length 321.2
  Top Layer w30: Q18.1 3510.89,1249.11 3510.89,1214.11 3580.39,1144.61 3580.39,1116.81 D11.1
  Bottom Layer w30: D11.1 3640.99,1158.19 R17.1
NetD12_1: D12.1 Q19.1 R18.1 | length 322.5
  Top Layer w30: Q19.1 3810,1165 D12.1
  Bottom Layer w30: D12.1 3859.17,1156.38 R18.1
NetK1_1: K1.1 P2.2 | length 989.4
  Bottom Layer w30: P2.2 4210,3979 4223.78,3965.22 K1.1
NetK1_3: K1.3 P2.3 | length 445.4
  Bottom Layer w30: P2.3 4410,4095.31 K1.3
NetK1_4: K1.4 P2.1 | length 434
  Bottom Layer w30: K1.4 3987.56,4235.56 4010,4258 P2.1
NetK2_1: K2.1 P4.3 | length 1000.8
  Bottom Layer w30: P4.3 6195,3974 6215,3954 K2.1
NetK2_3: K2.3 P4.4 | length 456.8
  Bottom Layer w30: P4.4 6395,4092.76 K2.3
NetK2_4: K2.4 P4.2 | length 440.2
  Bottom Layer w30: K2.4 5978.78,4237.78 5995,4254 P4.2
NetK3_1: K3.1 P3.1 | length 991.7
  Bottom Layer w30: K3.1 4890,3970 4900,3980 P3.1
NetK3_3: K3.3 P3.2 | length 439.3
  Bottom Layer w30: P3.2 5100,4282.22 5126.22,4256 K3.3
NetK3_4: K3.4 P2.4 | length 446.6
  Bottom Layer w30: P2.4 4610,4085.32 K3.4
NetK4_1: K4.1 P5.2 | length 989.8
  Bottom Layer w30: P5.2 6220,1022 6233.78,1035.78 K4.1
NetK4_3: K4.3 P5.3 | length 434.3
  Bottom Layer w30: K4.3 5997.56,764.44 6020,742 P5.3
NetK4_4: K4.4 P5.1 | length 445.7
  Bottom Layer w30: P5.1 6420,905 K4.4
NetK5_1: K5.1 P3.4 | length 1010.3
  Bottom Layer w30: P3.4 5500,3537.48 K5.1
NetK5_3: K5.3 P4.1 | length 430
  Bottom Layer w30: K5.3 5791.22,4252.22 5795,4256 P4.1
NetK5_4: K5.4 P3.3 | length 436.2
  Bottom Layer w30: P3.3 5300,4256 5318.78,4237.22 K5.4
NetK6_1: K6.1 P6.1 | length 1002.2
  Bottom Layer w30: P6.1 5573.78,573.78 K6.1
NetK6_3: K6.3 P6.2 | length 428.1
  Bottom Layer w30: P6.2 5330,742 5337.56,749.56 K6.3
NetK6_4: K6.4 P5.4 | length 429.1
  Bottom Layer w30: K6.4 5810,742 5820,732 P5.4
NetP1_1: P1.1 R29.2 | length 307.7
  Bottom Layer w30: R29.2 2700,641.81 P1.1
NetP1_2: P1.2 U1.6 | length 479.2
  Bottom Layer w30: U1.6 2449.8,894.8 2404.8,894.8 2375,865 2375,650 P1.2
NetP1_3: P1.3 U2.2 U.36 | length 4116.2
  Bottom Layer w30: P1.3 2282.55,525 2257.32,499.77 2254.77,499.77 2170,415 2050,415 1995,470 1995,595 2065,665 2130,665 2245,780 2245,1845 2085,2005 2085,2250 2160,2325 2370,2325 2445.39,2400.39 U.36 2445.39,3280.39 2585,3420 2670,3420 2730,3480 U2.2
NetP1_4: P1.4 U2.3 U.33 | length 4075.8
  Bottom Layer w30: P1.4 2315,740 2315,1850 2140,2025 2140,2215 2200,2275 2430,2275 2745.39,2590.39 U.33 2745.39,3285.39 2920,3460 2920,3610 2876,3654 2674,3654 2636.19,3616.19 2636.19,3571.19 U2.3
NetP6_3: P6.3 Q13.1 | length 241.6
  Bottom Layer w30: P6.3 5170,570 Q13.1
NetP6_4: P6.4 U7.6 | length 383.1
  Bottom Layer w30: P6.4 4930,800 U7.6
NetP7_1: P7.1 R31.2 | length 479.6
  Bottom Layer w30: R31.2 4154.05,775.95 4154.05,745.95 4235,665 4385,665 4460.35,589.65 4460.35,544.65 P7.1
NetP7_2: P7.2 R30.2 | length 356.5
  Bottom Layer w30: R30.2 4035,774.27 4045.59,763.68 4045.59,759.41 P7.2
NetP7_3: P7.3 R18.2 | length 321.3
  Bottom Layer w30: R18.2 4080,620 P7.3
NetP7_4: P7.4 R17.2 | length 331.4
  Bottom Layer w30: R17.2 3700,705 P7.4
NetP8_1: P8.1 R16.2 | length 316.9
  Bottom Layer w30: R16.2 3590,636.81 P8.1
NetP8_2: P8.2 R15.2 | length 325.2
  Bottom Layer w30: R15.2 3390,616.81 P8.2
NetP8_3: P8.3 R14.2 | length 333.4
  Bottom Layer w30: R14.2 3005,710 P8.3
NetP8_4: P8.4 R13.2 | length 358.4
  Bottom Layer w30: R13.2 2980.68,586.13 2980.68,517.67 P8.4@2990,508.35
NetQ1_1: Q1.1 R1.1 | length 492
  Top Layer w30: R1.1 3610,3563.19 Q1.1 Q1.1@3603.19,3431.81
  Bottom Layer w30: Q1.1@3606.59,3428.41 Q1.1
NetQ1_3: Q1.3 R3.2 | length 462.4
  Bottom Layer w30: R3.2 3490,3710 3575,3795 3640,3795 Q1.3
NetQ2_1: Q2.1 R2.1 | length 244.9
  Top Layer w30: R2.1 6448.19,2964 6460,2975.81 Q2.1
NetQ2_3: Q2.3 R4.2 | length 333.1
  Top Layer w30: Q2.3 6215,3190 6343.19,3061.81 R4.2
NetQ3_2: Q3.2 R3.1 | length 352.5
  Bottom Layer w30: R3.1 3576.81,3995 3700,3995 3734.82,3960.18 3734.82,3910.18 Q3.2
NetQ4_2: Q4.2 R4.1 | length 317.5
  Top Layer w30: R4.1 5895,3036.81 5895,3155 5944.82,3204.82 5964.82,3204.82 Q4.2
NetQ5_1: Q5.1 R19.1 | length 242.8
  Top Layer w30: R19.1 5133.19,2961 5140,2967.81 Q5.1
NetQ5_3: Q5.3 R21.2 | length 333.1
  Top Layer w30: Q5.3 4900,3185 5028.19,3056.81 R21.2
NetQ6_1: Q6.1 R20.1 | length 242
  Bottom Layer w30: Q6.1 5970,2019 5986.81,2035.81 R20.1
NetQ6_3: Q6.3 R22.2 | length 318.5
  Top Layer w30: R22.2 6081.81,1963.19 6231.89,1813.11 6266.89,1813.11 Q6.3
NetQ7_2: Q7.2 R21.1 | length 337.5
  Top Layer w30: Q7.2 4644.82,3219.82 4619.82,3219.82 4575,3175 4575,3041.81 R21.1
NetQ8_2: Q8.2 R22.1 | length 325.1
  Bottom Layer w30: Q8.2 6455.22,1775.18 6480.18,1775.18 6515,1810 6515,1973.19 R22.1
NetQ9_1: Q9.1 R23.1 | length 236.3
  Top Layer w30: Q9.1 5795,2983.19 5798.19,2980 R23.1
NetQ9_3: Q9.3 R25.2 | length 330.5
  Top Layer w30: Q9.3 5540,3200 5698.19,3041.81 R25.2
NetQ10_1: Q10.1 R24.1 | length 244.9
  Bottom Layer w30: Q10.1 5320,2014 5331.81,2025.81 R24.1
NetQ10_3: Q10.3 R26.2 | length 332.2
  Top Layer w30: R26.2 5426.81,1938.19 5565,1800 Q10.3
NetQ11_2: Q11.2 R25.1 | length 308.4
  Top Layer w30: R25.1 5255,3046.81 5255,3170 5299.82,3214.82 5319.82,3214.82 Q11.2
NetQ12_2: Q12.2 R26.1 | length 333.6
  Top Layer w30: Q12.2 5795.18,1772.54 5822.54,1772.54 5875,1825 5875,1948.19 R26.1
NetQ13_2: Q13.2 R27.1 | length 298.8
  Top Layer w30: Q13.2 5173.32,860.68 5210.68,860.68 5240,890 5240,1030 5213.78,1056.22 5190.59,1056.22 R27.1
NetQ14_4: Q14.4 R7.1 U.5 | length 724.8
  Top Layer w30: Q14.4 2640,1616 2641.81,1617.81 R7.1
  Bottom Layer w30: R7.1 2745,1778.19 2745,1955 2645.39,2054.61 U.5
NetQ15_4: Q15.4 R8.1 U.6 | length 824.7
  Top Layer w30: Q15.4 2855,1626.81 R8.1
  Bottom Layer w30: U.6 2750.03,2195.36 2750.03,2084.97 3012.6,1822.4 3012.6,1805.59 R8.1
NetQ16_4: Q16.4 R9.1 U.7 | length 933.5
  Top Layer w30: Q16.4 3105,1595 R9.1
  Bottom Layer w30: U.7 2845.39,2119.61 3085,1880 3160,1880 3220,1820 3220,1730 3160,1670 R9.1
NetQ17_4: Q17.4 R10.1 U.8 | length 1060.9
  Top Layer w30: Q17.4 3285,1596.81 R10.1
  Bottom Layer w30: U.8 2945.39,2134.61 3150,1930 3348.19,1930 R10.1
NetQ18_4: Q18.4 R11.1 U.9 | length 1198.8
  Top Layer w30: Q18.4 3500,1566.26 3511.57,1577.84 3511.57,1586.57 3561.22,1636.22 3561.22,1664.41 R11.1
  Bottom Layer w30: U.9 3045.39,2129.61 3185,1990 3570,1990 3675,1885 3675,1778.19 R11.1
NetQ19_4: Q19.4 R12.1 U.10 | length 1340.4
  Top Layer w30: Q19.4 3760,1605 3760,1606.81 R12.1
  Bottom Layer w30: U.10 3145.39,2134.61 3185,2095 3648.19,2095 R12.1
NetR1_2: R1.2 U.26 | length 275.1
  Bottom Layer w30: R1.2 3445.39,3351.42 U.26@3445.39,3182.91
NetR2_2: R2.2 U.29 | length 3308.7
  Bottom Layer w30: U.29 3145.39,3094.61 3595,2645 5866.81,2645 6064.89,2843.08 6070.62,2843.08 R2.2@6077.54,2850
NetR5_1: R5.1 U6.2 | length 421.2
  Top Layer w30: R5.1@4740,1401.81 4740,1625 U6.2
NetR5_2: R5.2
NetR6_1: R6.1 U7.2 | length 502
  Top Layer w40: U7.2 4825.82,980 4880,1034.18 4880,1125 4990,1235 R6.1
NetR6_2: R6.2
NetR19_2: R19.2 U.27 | length 1644
  Bottom Layer w30: U.27 3345.39,3124.61 3675,2795 4706.81,2795 R19.2
NetR20_2: R20.2 U.30 | length 3860.5
  Bottom Layer w30: U.30 3045.39,3019.61 3490,2575 5933.19,2575 R20.2
NetR23_2: R23.2 U.28 | length 2511.3
  Bottom Layer w30: U.28 3245.39,3109.61 3625,2730 5286.81,2730 5414.89,2858.08 5424.07,2858.08 R23.2@5430.99,2865 ; R23.2@5424.68,2867.87 5440.34,2883.53
NetR24_2: R24.2 U.31 | length 3345.6
  Bottom Layer w30: U.31 2945.39,2954.61 3420,2480 5368.19,2480 R24.2
NetR27_2: R27.2 U6.6 | length 326.3
  Top Layer w30: R27.2 5175.95,1447.24 5147.76,1447.24 5095,1500 5095,1610 5144.44,1659.44 5174.44,1659.44 U6.6
NetR28_1: R28.1 U1.2 | length 221.8
  Top Layer w30: R28.1 2035,950 2080,995 U1.2
NetR28_2: R28.2 U.35 | length 2343.5
  Top Layer w30: R28.2 2035,2200 2165,2330 2450,2330 2545,2425 v1(2545,3045) v1@2545,3048.36
  Bottom Layer w30: v1(2545,3045) 2545.2,3045.2 2545.2,3199.8 U.35
NetR29_1: R29.1 U3.2 | length 252.5
  Top Layer w30: U3.2 2515,1325 2565,1275 R29.1
NetR30_1: R30.1 U4.2 | length 113.1
  Top Layer w30: R30.1 4070,1191.38 U4.2
NetR31_1: R31.1 U5.2 | length 231.2
  Top Layer w30: R31.1 4150,1060 4210,1000 U5.2
NetR32_1: R32.1 U4.6 | length 441.4
  Top Layer w30: U4.6 4395,1330 R32.1
NetR33_1: R33.1 U5.6 | length 356.5
  Top Layer w30: R33.1 4475,1171.81 4475,985 U5.6
NetU3_6: U3.6 U.34 | length 2224
  Top Layer w30: U3.6 2147.14,1425 2132.61,1439.53 2125.47,1439.53 2085,1480 2085,2160 2200,2275 2490,2275 2645,2430 v1(2645,3040) v1@2645,3049.24
  Bottom Layer w30: v1(2645,3040) 2645.2,3040.2 2645.2,3199.8 U.34
pads on no net: U1.1 U1.4 U1.7 U2.1 U2.SH1 U2.SH2 U3.1 U3.4 U3.7 U4.1 U4.4 U4.7 U5.1 U5.4 U5.7 U6.1 U6.4 U6.7 U7.1 U7.4 U7.7 U.2 U.3 U.4 U.11 U.12 U.13 U.15 U.16 U.17 U.18 U.20 U.21 U.22 U.23 U.24 U.25 U.37

## Polygon pours and split planes (outlines as drawn)
GND on Bottom Layer "NONET_L-01_P-001" (solid, pour order 0): 6605,4635 6605,360 1950,360 1950,4635
GND on Top Layer "NONET_L-01_P-001" (solid, pour order 1): 1955,4625 6605,4625 6605,355 1955,355

## Silkscreen, mask and mechanical layers (free items; w line width, h text height)
Mechanical 1:
  the board outline again, w10

## Dimensions
1950,4645 to 6605,4655 on Top Overlay
1905,360 to 1920,4625 on Top Overlay